# KiCad board PC110.kicad_pcb (continued)
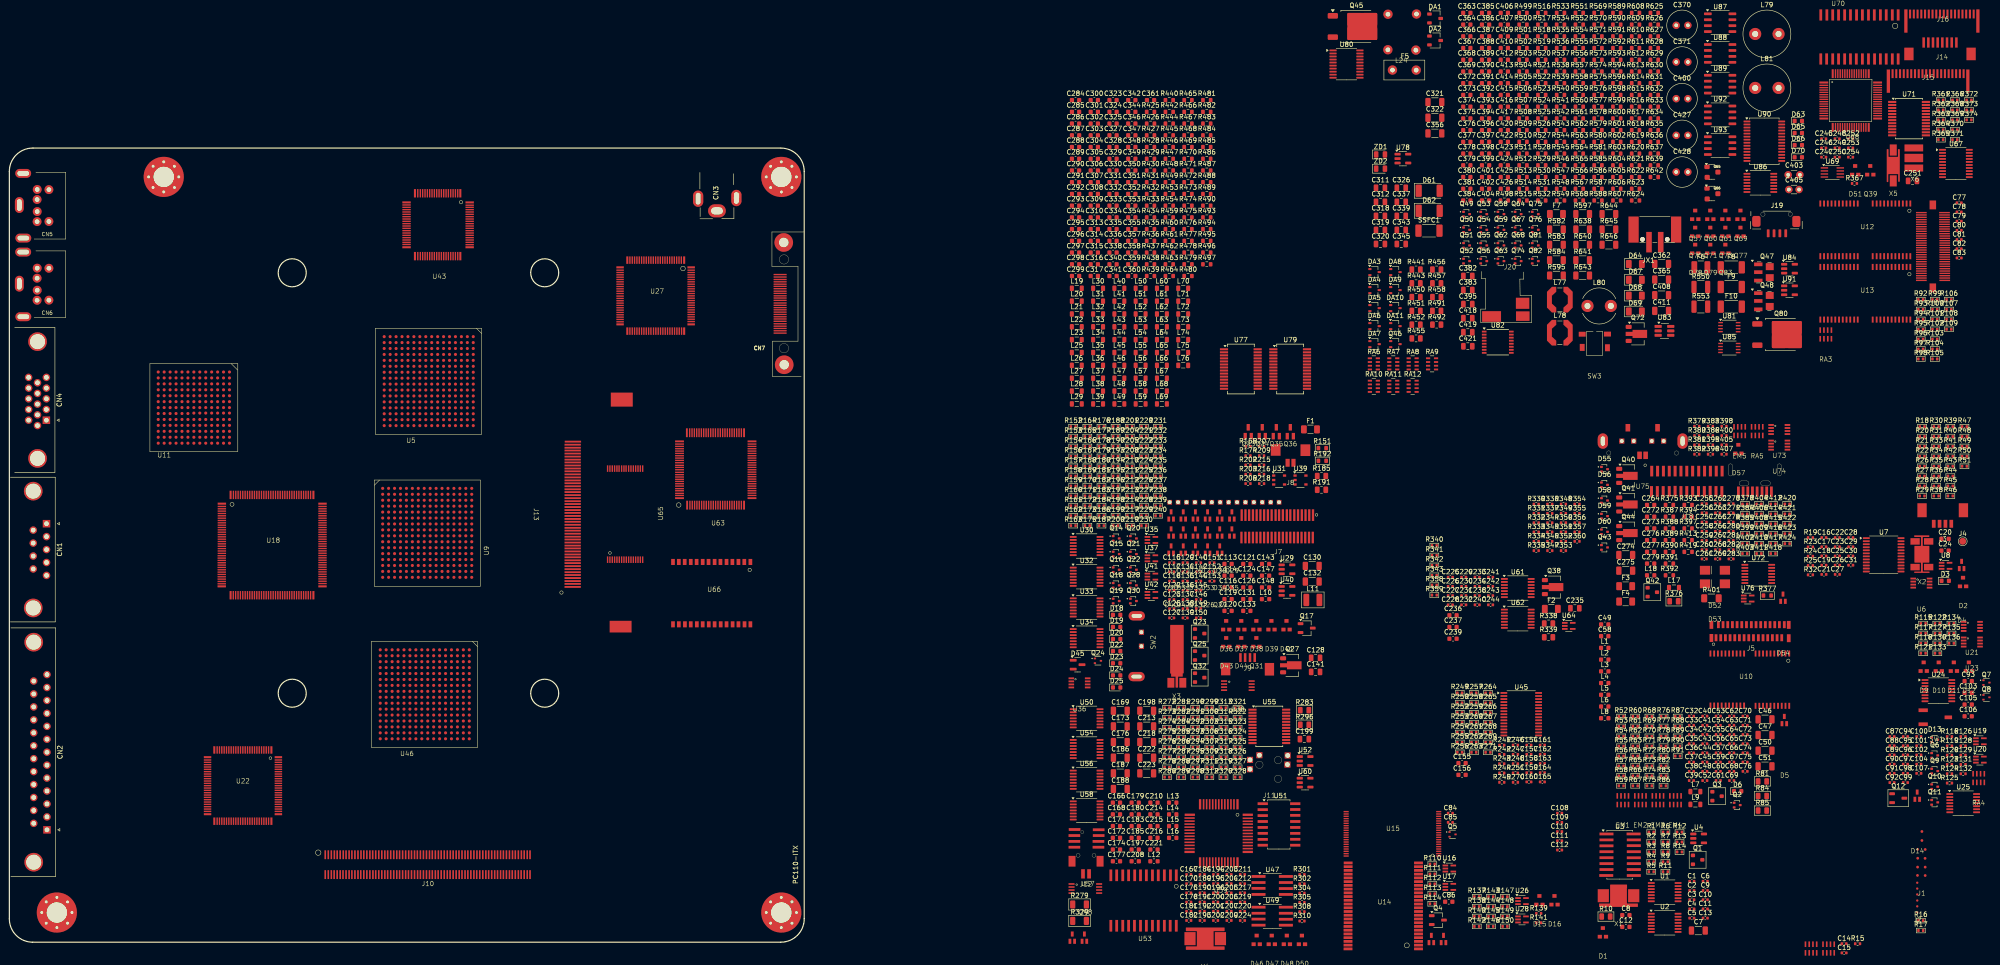
[diagram p0: board, top side]
## Nets (continued)
VCC: C22.1 C125.2 C127.1 C134.2 C137.2 C140.1 C152.1 C153.2 C281.2 D4.2 D40.2 J7.16 J18.2 J18.25 Q32.3 R165.1 R167.2 R176.1 R201.2 R221.1 R235.2 R240.2 R577.1 SW2.1 U6.1 U30.1 U30.10 U30.12 U30.14 U32.14 U33.2 U33.10 U33.12 U33.14 U34.10 U34.12 U34.14 U35.5 U43.71
/Audio/Enable_YMF_Bus: R299.1 U32.5 U52.1 U53.3 U54.1 U54.4 U54.10 U54.13
/Audio/PCMCIA_KB_sound: C174.2 R275.1
/Audio/YMFDAC_OUTPUT: C168.2 R274.1
/Chipset/CMOS_BATT+: C17.1 J3.3 R18.2
/Docking Station and Modem/FDD_PWR: C266.2 C267.1 C272.2 Q41.2
/Docking Station and Modem/J13_53: R375.1
/Docking Station and Modem/PD0: R387.1
/Docking Station and Modem/PD1: R388.1
/Docking Station and Modem/PD2: R389.1
/Docking Station and Modem/PD3: R390.1
/Docking Station and Modem/PD4: R391.1
/Docking Station and Modem/PD5: R392.1
/Docking Station and Modem/PD6: R393.1
/Docking Station and Modem/PD7: R394.1
/Docking Station and Modem/PNET5_Q1: C260.2 F3.1 L17.1 RA5.1 RA5.2 RA5.3 RA5.4
/Docking Station and Modem/PWR_IN+_D: D52.2 D53.2
/Docking Station and Modem/PWR_IN-: R375.2
/Docking Station and Modem/RXD2: R385.1 U74.5
/Docking Station and Modem/TXD2: U74.6
/DockingStation-ports/CTS2#: R484.1 R485.2 R486.1
/DockingStation-ports/DIN1: R496.2 U77.7
/DockingStation-ports/DIN2: R494.2 U77.8
/DockingStation-ports/DIN3: R490.2 U77.9
/DockingStation-ports/DOUT1: R440.1 U77.22
/DockingStation-ports/DOUT2: R434.1 U77.21
/DockingStation-ports/DOUT3: R445.1 U77.20
/DockingStation-ports/DSR2#: R482.2 R483.1
/DockingStation-ports/FDD_PWR: C349.2 C353.2 L69.1 RA8.1 RA8.2 RA8.3 RA8.4 RA9.1 RA9.2 RA9.3 RA9.4 RA10.1 RA10.2 RA10.3 RA10.4 RA11.1 RA11.2 RA11.3 RA11.4 RA12.1 RA12.2 RA12.3 RA12.4
/DockingStation-ports/LT_DR1_IN: R495.1 U79.25
/DockingStation-ports/LT_DR1_OUT: R439.2 U79.5
/DockingStation-ports/LT_DR2_IN: R493.1 U79.23
/DockingStation-ports/LT_DR2_OUT: R433.2 U79.7
/DockingStation-ports/LT_DR3_IN: R489.1 U79.19
/DockingStation-ports/LT_DR3_OUT: R444.2 U79.11
/DockingStation-ports/LT_RX1_IN: R425.2 U79.6
/DockingStation-ports/LT_RX1_OUT: R487.1 U79.24
/DockingStation-ports/LT_RX2_IN: R430.2 U79.8
/DockingStation-ports/LT_RX2_OUT: R485.1 U79.22
/DockingStation-ports/LT_RX3_IN: R436.2 U79.9
/DockingStation-ports/LT_RX3_OUT: R482.1 U79.21
/DockingStation-ports/LT_RX4_IN: R447.2 U79.10
/DockingStation-ports/LT_RX4_OUT: R480.1 U79.20
/DockingStation-ports/LT_RX5_IN: R427.2 U79.12
/DockingStation-ports/LT_RX5_OUT: R476.2 U79.18
/DockingStation-ports/M38_P46_PC110: Q46.3
/DockingStation-ports/M38_P67_PC110: R451.1 R452.2 ZD2.1
/DockingStation-ports/PD0: R464.1 RA7.8
/DockingStation-ports/PD1: R462.1 RA7.7
/DockingStation-ports/PD2: R460.1 RA7.6
/DockingStation-ports/PD3: R454.1 RA7.5
/DockingStation-ports/PD4: R453.1 RA6.8
/DockingStation-ports/PD5: R449.1 RA6.7
/DockingStation-ports/PD6: R446.2 RA6.6
/DockingStation-ports/PD7: R442.1 RA6.5
/DockingStation-ports/PNET5_Q1: C335.2 L55.2
/DockingStation-ports/PWR_IN+_D: D61.1 D62.1
/DockingStation-ports/PWR_IN-: C295.2 C300.2 L24.2 Q45.1 R441.1 R452.1 R458.1 ZD2.2
/DockingStation-ports/R269_1_PC110: R455.1
/DockingStation-ports/RI2#: R476.1 R477.2
/DockingStation-ports/RIN1: R426.1 U77.19
/DockingStation-ports/RIN2: R431.1 U77.18
/DockingStation-ports/RIN3: R437.1 U77.17
/DockingStation-ports/RIN4: R448.1 U77.16
/DockingStation-ports/RIN5: R428.1 U77.15
/DockingStation-ports/ROUT1: R488.2 U77.10
/DockingStation-ports/ROUT2: R486.2 U77.11
/DockingStation-ports/ROUT3: R483.2 U77.12
/DockingStation-ports/ROUT4: R481.2 U77.13
/DockingStation-ports/ROUT5: R477.1 U77.14
/DockingStation-ports/RXD2: R480.2 R481.1
/DockingStation-ports/VGA_BLUE: DA10.3 L73.1
/DockingStation-ports/VGA_GREEN: DA9.3 L72.1
/DockingStation-ports/VGA_Hsync: R478.1
/DockingStation-ports/VGA_RED: DA8.3 L71.1
/DockingStation-ports/VGA_Vsync: R479.1
/Keyboard and Trackpoint/D171_GPCLK: R370.1 U68.20 U70.22 U70.23
/Keyboard and Trackpoint/D171_GPDATA: R369.1 U68.21 U70.24 U70.25
/Keyboard and Trackpoint/D171_P0A0: J16.6 U70.13
/Keyboard and Trackpoint/D171_P0A1: J16.5 U70.12
/Keyboard and Trackpoint/D171_P0A2: J16.4 U70.11
/Keyboard and Trackpoint/D171_P0A3: J16.3 U70.10
/Keyboard and Trackpoint/D171_P0B0: J16.15 U70.9
/Keyboard and Trackpoint/D171_P0B1: J16.14 U70.8
/Keyboard and Trackpoint/D171_P0B2: J16.13 U70.7
/Keyboard and Trackpoint/D171_P0B3: J16.12 U70.6
/Keyboard and Trackpoint/D171_P0C2: J16.2 R364.1 U70.3
/Keyboard and Trackpoint/D171_P0C3: J16.16 R363.1 U70.2
/Keyboard and Trackpoint/D171_P1A0: J16.18 U70.21
/Keyboard and Trackpoint/D171_P1A1: J16.8 U70.20
/Keyboard and Trackpoint/D171_P1A2: J16.17 U70.19
/Keyboard and Trackpoint/D171_P1A3: J16.7 U70.18
/Keyboard and Trackpoint/KB1_0: J14.8 U68.56
/Keyboard and Trackpoint/KB1_1: J14.7 U68.55
/Keyboard and Trackpoint/KB1_2: J14.1 U68.54
/Keyboard and Trackpoint/KB1_3: J14.6 U68.53
/Keyboard and Trackpoint/KB1_4: J14.2 U68.52
/Keyboard and Trackpoint/KB1_5: J14.5 U68.51
/Keyboard and Trackpoint/KB1_6: J14.3 U68.50
/Keyboard and Trackpoint/KB1_7: J14.4 U68.49
/Keyboard and Trackpoint/KB2_1: J15.18 U68.33
/Keyboard and Trackpoint/KB2_2: J15.6 U68.34
/Keyboard and Trackpoint/KB2_3: J15.17 U68.35
/Keyboard and Trackpoint/KB2_4: J15.14 U68.36
/Keyboard and Trackpoint/KB2_5: J15.16 U68.37
/Keyboard and Trackpoint/KB2_6: J15.9 U68.38
/Keyboard and Trackpoint/KB2_7: J15.5 U68.39
/Keyboard and Trackpoint/KB2_8: J15.10 U68.40
/Keyboard and Trackpoint/KB2_9: J15.8 U68.41
/Keyboard and Trackpoint/KB2_10: J15.11 U68.42
/Keyboard and Trackpoint/KB2_11: J15.7 U68.43
/Keyboard and Trackpoint/KB2_12: J15.12 U68.44
/Keyboard and Trackpoint/KB2_13: J15.13 U68.45
/Keyboard and Trackpoint/KB2_14: J15.15 U68.46
/Keyboard and Trackpoint/KB2_15: J15.20 U68.47
/Keyboard and Trackpoint/KB2_16: J15.19 U68.48
/Keyboard and Trackpoint/TRKPD_Lclick: J15.4 J16.10 R365.1 U70.4
/Keyboard and Trackpoint/TRKPD_Rclick: J15.3 J16.11 R366.1 U70.5
/Memory/LCASL#: J6.48 R108.2 RA3.2
/Memory/LCASU#: J6.12 R106.2 RA3.4
/Memory/UCASL#: J6.47 R109.1 RA3.1
/Memory/UCASU#: J6.13 R107.2 RA3.3
/PCMCIA/ABVD1: J10.57 R260.2 U46.M13
/PCMCIA/ABVD2: J10.59 R259.2 U46.P16
/PCMCIA/ACA0: J10.58 U46.P15
/PCMCIA/ACA1: J10.56 U46.N13
/PCMCIA/ACA2: J10.54 U46.L12
/PCMCIA/ACA3: J10.52 U46.P14
/PCMCIA/ACA4: J10.50 U46.M12
/PCMCIA/ACA5: J10.48 U46.R15
/PCMCIA/ACA6: J10.46 U46.T15
/PCMCIA/ACA7: J10.44 U46.M11
/PCMCIA/ACA8: J10.24 U46.R9
/PCMCIA/ACA9: J10.22 U46.T9
/PCMCIA/ACA10: J10.16 U46.R7
/PCMCIA/ACA11: J10.20 U46.R8
/PCMCIA/ACA12: J10.42 U46.T14
/PCMCIA/ACA13: J10.26 U46.P10
/PCMCIA/ACA14: J10.28 U46.T11
/PCMCIA/ACA15: J10.40 U46.P12
/PCMCIA/ACA16: J10.38 U46.R12
/PCMCIA/ACA17: J10.25 U46.T10
/PCMCIA/ACA18: J10.27 U46.R10
/PCMCIA/ACA19: J10.29 U46.P11
/PCMCIA/ACA20: J10.31 U46.T12
/PCMCIA/ACA21: J10.33 U46.N10
/PCMCIA/ACA22: J10.39 U46.T13
/PCMCIA/ACA23: J10.41 U46.R13
/PCMCIA/ACA24: J10.43 U46.P13
/PCMCIA/ACA25: J10.45 U46.R14
/PCMCIA/ACD0: J10.60 U46.N16
/PCMCIA/ACD1: J10.62 U46.N15
/PCMCIA/ACD1#: J10.5 R268.2 U46.T4
/PCMCIA/ACD2: J10.64 U46.M16
/PCMCIA/ACD2#: J10.67 R262.2 U46.L16
/PCMCIA/ACD3: J10.4 U46.N5
/PCMCIA/ACD4: J10.6 U46.M7
/PCMCIA/ACD5: J10.8 U46.P5
/PCMCIA/ACD6: J10.10 U46.R5
/PCMCIA/ACD7: J10.12 U46.T6
/PCMCIA/ACD8: J10.61 U46.K13
/PCMCIA/ACD9: J10.63 U46.M14
/PCMCIA/ACD10: J10.65 U46.M15
/PCMCIA/ACD11: J10.7 U46.R4
/PCMCIA/ACD12: J10.9 U46.T5
/PCMCIA/ACD13: J10.11 U46.N6
/PCMCIA/ACD14: J10.13 U46.R6
/PCMCIA/ACD15: J10.15 U46.T7
/PCMCIA/ACE1#: J10.14 U46.P6
/PCMCIA/ACE2#: J10.17 U46.P7
/PCMCIA/ACIORD#: J10.21 U46.P8
/PCMCIA/ACIOWR#: J10.23 U46.P9
/PCMCIA/AINPACK#: J10.53 R256.2 U46.N14
/PCMCIA/AOE#: J10.18 U46.T8
/PCMCIA/ARDY: J10.32 R257.2 U46.N11
/PCMCIA/AREG#: J10.55 U46.R3
/PCMCIA/ARESET: J10.49 U46.T16
/PCMCIA/AVPP: C155.2 J10.36 J10.37 U45.8
/PCMCIA/AWAIT: J10.51 R258.2 U46.R16
/PCMCIA/AWE#: J10.30 U46.R11
/PCMCIA/AWP: J10.66 R261.2 U46.L13
/PCMCIA/B5VDET: J10.89 U46.N4
/PCMCIA/BBVD1: J10.127 R271.1 U46.C11
/PCMCIA/BBVD2: J10.129 R269.2 U46.B11
/PCMCIA/BCA0: J10.128 U46.D10
/PCMCIA/BCA1: J10.126 U46.A11
/PCMCIA/BCA2: J10.124 U46.D11
/PCMCIA/BCA3: J10.122 U46.A12
/PCMCIA/BCA4: J10.120 U46.B13
/PCMCIA/BCA5: J10.118 U46.D12
/PCMCIA/BCA6: J10.116 U46.B14
/PCMCIA/BCA7: J10.114 U46.D13
/PCMCIA/BCA8: J10.94 U46.E15
/PCMCIA/BCA9: J10.92 U46.F13
/PCMCIA/BCA10: J10.86 U46.D9
/PCMCIA/BCA11: J10.90 U46.F15
/PCMCIA/BCA12: J10.112 U46.C14
/PCMCIA/BCA13: J10.96 U46.E14
/PCMCIA/BCA14: J10.98 U46.C16
/PCMCIA/BCA15: J10.110 U46.E12
/PCMCIA/BCA16: J10.108 U46.A16
/PCMCIA/BCA17: J10.95 U46.D16
/PCMCIA/BCA18: J10.97 U46.D15
/PCMCIA/BCA19: J10.99 U46.D14
/PCMCIA/BCA20: J10.101 U46.C15
/PCMCIA/BCA21: J10.103 U46.B15
/PCMCIA/BCA22: J10.109 U46.E13
/PCMCIA/BCA23: J10.111 U46.A15
/PCMCIA/BCA24: J10.113 U46.C13
/PCMCIA/BCA25: J10.115 U46.A14
/PCMCIA/BCD0: J10.130 U46.A10
/PCMCIA/BCD1: J10.132 U46.C10
/PCMCIA/BCD1#: J10.75 R270.2 U46.A8
/PCMCIA/BCD2: J10.134 U46.B9
/PCMCIA/BCD2#: J10.137 R264.1 U46.K16
/PCMCIA/BCD3: J10.74 U46.L14
/PCMCIA/BCD4: J10.76 U46.K15
/PCMCIA/BCD5: J10.78 U46.J16
/PCMCIA/BCD6: J10.80 U46.J14
/PCMCIA/BCD7: J10.82 U46.H14
/PCMCIA/BCD8: J10.131 U46.B10
/PCMCIA/BCD9: J10.133 U46.A9
/PCMCIA/BCD10: J10.135 U46.G15
/PCMCIA/BCD11: J10.77 U46.K14
/PCMCIA/BCD12: J10.79 U46.J15
/PCMCIA/BCD13: J10.81 U46.H16
/PCMCIA/BCD14: J10.83 U46.H15
/PCMCIA/BCD15: J10.85 U46.G14
/PCMCIA/BCE1#: J10.84 U46.F16
/PCMCIA/BCE2#: J10.87 U46.G16
/PCMCIA/BCIORD#: J10.91 U46.E16
/PCMCIA/BCIOWR#: J10.93 U46.G13
/PCMCIA/BINPACK#: J10.123 R263.1 U46.B12
/PCMCIA/BOE#: J10.88 U46.F14
/PCMCIA/BRDY: J10.102 R267.2 U46.B16
/PCMCIA/BREG#: J10.125 U46.L15
/PCMCIA/BRESET: J10.119 U46.A13
/PCMCIA/BVPP: C156.1 J10.106 J10.107 U45.23
/PCMCIA/BWAIT: J10.121 R265.2 U46.C12
/PCMCIA/BWE#: J10.100 U46.F12
/PCMCIA/BWP: J10.136 R266.1 U46.C9
/Power/M38_COM0: U43.77 U44.14
/Power/M38_COM1: U43.76 U44.13
/Power/M38_COM2: U43.75 U44.12
/Power/M38_COM3: U43.74 U44.11
/Power/M38_P10_R413: Q36.3 R209.2 R218.1
/Power/M38_P11_R167: Q35.3 R208.2 R217.1
/Power/M38_P12_R407: Q34.3 R207.2 R216.2
/Power/M38_P13_R390: Q33.3 R206.1 R215.1
/Power/M38_SEG0: U43.70 U44.1
/Power/M38_SEG1: U43.69 U44.2
/Power/M38_SEG2: U43.68 U44.3
/Power/M38_SEG3: U43.67 U44.4
/Power/M38_SEG4: U43.66 U44.5
/Power/M38_SEG5: U43.65 U44.6
/Power/M38_SEG6: U43.64 U44.7
/Power/M38_SEG7: U43.63 U44.8
/Power/M38_SEG8: U43.62 U44.9
/Power/M38_SEG9: U43.61 U44.10
/Power/Touch_X+: J9.2 R194.2 R202.1
/Power/Touch_X-: J9.3 Q34.2
/Power/Touch_Y+: J9.1 R193.2 R203.1
/Power/Touch_Y-: J9.4 Q36.2
/Power/U54_D: J7.17 Q20.3 U34.2 U34.6
/Power/U54_Q: D39.2 J7.25 R173.1 U34.5
/PSU/D2_3_PC110: Q50.3 R606.2
/PSU/D18_2_3_PC110: J19.1 R617.2
/PSU/D28_1_PC110: C371.1 C374.1 C377.2 Q48.4 R515.2 R573.2
/PSU/F65_ENAVEE_PC110: R519.1 R613.2
/PSU/J5_6_PC110: D63.1 Q57.1 R570.2
/PSU/J5_33_PC110: C366.1 R502.2 R506.1 R611.2
/PSU/M38_P20_PC110: Q73.1 Q75.1 R580.2
/PSU/M38_P21_PC110: Q73.3 R616.2
/PSU/M38_P52_PC110: R517.1 R579.2
/PSU/M38_P53_PC110: Q61.1 R615.2
/PSU/M38_P60_PC110: C399.1 R563.1 R567.2 U86.8
/PSU/M38_P61_PC110: C410.1 R568.2 R619.1 R623.1 U86.14
/PSU/M38_P63_PC110: C391.1 R547.2 R549.1 R602.2 U86.1
/PSU/M38_P64_PC110: R591.1 R592.1 R607.2 U86.7
/PSU/M38_VREF_PC110: C420.2 Q79.3 Q81.2 R609.2 R630.1
/PSU/PNET1_PC110: R571.2 R608.2
/PSU/Q43_2_PC110: C369.2 C370.2 C372.2 Q47.4 R507.2 R574.2
/PSU/Q49_1_PC110: D65.2 R603.2 R621.2
/PSU/R73_2_PC110: R509.2 R576.2
/PSU/R284_2_PC110: C362.1 C365.1 C403.2 C405.2 F6.2 F7.2 F9.2 R575.2 R628.2 U88.5 U88.6 U88.7 U88.8 U89.5 U89.6 U92.5 U92.6 U92.7 U92.8
/PSU/R412_1_PC110: J19.2 R581.2
/PSU/U21_131_PC110: R514.2 R612.2
/PSU/U54_1D_PC110: R560.2 R578.2
/PSU/U54_1Q_PC110: R548.2 R614.2
/PSU/U54_D: R578.1
/PSU/U54_Q: R614.1
/PSU/U54_VCC_PC110: C408.2 Q55.2 Q72.1 R577.2 SW3.1
/VGA Controller/LCD_24: C72.1 EM4.1 J5.24
/VGA Controller/LCD_B0: C56.1 EM1.4 J5.8
/VGA Controller/LCD_B1: C57.1 EM1.3 J5.9
/VGA Controller/LCD_B2: C64.1 EM1.2 J5.10
/VGA Controller/LCD_B3: C63.1 EM1.1 J5.11
/VGA Controller/LCD_B4: C68.1 EM2.4 J5.17
/VGA Controller/LCD_G0: C67.1 EM2.3 J5.18
/VGA Controller/LCD_G1: C66.1 EM2.2 J5.19
/VGA Controller/LCD_G2: C76.1 EM2.1 J5.20
/VGA Controller/LCD_G3: C62.1 EM3.4 J5.12
/VGA Controller/LCD_G4: C61.1 EM3.3 J5.13
/VGA Controller/LCD_R0: C70.1 EM3.2 J5.14
/VGA Controller/LCD_R1: C69.1 EM3.1 J5.15
/VGA Controller/LCD_R2: C75.1 EM4.4 J5.21
/VGA Controller/LCD_R3: C74.1 EM4.3 J5.22
/VGA Controller/LCD_R4: C73.1 EM4.2 J5.23
AEN: U9.G16 U18.114 U22.6 U27.44 U46.K1 U69.6
BIOS_SA17: U15.40 U22.54
Bowman1: U9.N9 U18.45
Bowman2: U9.P9 U18.140
Bowman3: R117.2 U9.R9
Bowman4: U9.T9 U18.52
Bowman5: R22.1 U7.3 U9.T13 U18.130
Bowman5_Buff: U7.22 U16.1
Bowman_Audio_Vol_Dn: U18.128 U49.7
Bowman_Audio_Vol_Up: U18.127 U49.2
Bowman_CLK: R4.2 U18.40
Bowman_ESS_DACK1#: R367.2 U18.122 U71.10
CF_CD1_Pluto: J13.2 R342.2 U22.27
CF_CD2_Pluto: J13.49 R340.1 U22.26
Chipset_2XCPU_CLK: R11.2 U9.R2
Chipset_32KHz: U9.T10 U11.J2 U18.51
Chipset_BIOS_CE#: U9.G15 U15.22
Chipset_CLK: R8.1 U9.R15
Chipset_CPU_CLK: R17.1 R32.1 R79.1 R116.2 U9.K1
Chipset_CPU_CLK_Sense: R16.2 U9.J1
Chipset_FDC_TC: U9.G13 U27.33
Chipset_SA16: U9.B16 U15.1 U46.J1
Chipset_Sound: R288.2 U9.T15
CMOS_BATT_Sense: J3.4 R231.2 U43.6
CPU_A2: U5.A3 U9.N7 U11.L6 U18.10
CPU_A3: U5.D2 U9.T7 U11.M6 U18.11
CPU_A4: U5.D1 U9.R7 U11.J6 U18.12
CPU_A5: U5.E2 U9.P7 U11.N6 U18.13
CPU_A6: U5.F2 U9.N6 U11.M7 U18.14
CPU_A7: U5.F1 U9.T6 U11.N7 U18.15
CPU_A8: U5.G2 U9.R6 U11.J7 U18.16
CPU_A9: U5.G1 U9.P6 U11.N8 U18.17
CPU_A10: U5.H2 U9.M6 U11.M8 U18.19
CPU_A11: U5.H1 U9.T5 U11.J8 U18.20
CPU_A12: U5.J1 U9.R5 U11.L8 U18.21
CPU_A13: U5.K2 U9.P5 U11.N9 U18.22
CPU_A14: U5.K1 U9.T4 U11.M9 U18.23
CPU_A15: U5.L2 U9.R4 U11.K8 U18.24
CPU_A16: U5.L1 U9.N5 U11.N10 U18.25
CPU_A17: U5.M2 U9.P4 U11.L9 U18.26
CPU_A18: U5.N1 U9.T3 U11.M10 U18.27
CPU_A19: U5.P2 U9.R3 U11.N13 U18.29
CPU_A20: U5.P1 U9.P3 U11.M12 U18.30
CPU_A20M#: J1.7 U5.B13 U9.H3
CPU_A21: U5.T3 U9.T2 U11.K11 U18.31
CPU_A22: U5.R3 U9.R1 U11.M13 U18.32
CPU_A23: U5.P3 U9.N4 U11.L12 U18.33
CPU_A24: U5.T4 U9.P2 U18.34
CPU_A25: U5.R4 U9.P1 U18.35
CPU_A31: J2.6 U5.R6 U9.N3
CPU_ADS#: U5.B3 U9.N2 U11.K12 U18.49
CPU_AHOLD: J2.5 U5.A8 U9.L5
CPU_BE0#: J1.6 U5.B10 U9.L1 U11.M5
CPU_BE1#: J1.3 U5.C10 U9.L4 U11.L13
CPU_BE2#: J1.8 U5.A11 U9.K3 U11.N5
CPU_BE3#: J1.5 U5.B11 U9.K2 U11.J9
CPU_BLAST#: J2.1 U5.C3 U9.N1
CPU_BRDY#: J1.2 U5.B5 U9.M3
CPU_BS16#: U5.A6 U11.C11
CPU_D0: J6.1 U5.R7 U9.E2 U11.D13 U12.2
CPU_D1: J6.2 U5.P7 U9.E5 U11.F10 U12.3
CPU_D2: J6.3 U5.T8 U9.E3 U11.E13 U12.4
CPU_D3: J6.4 U5.R8 U9.D1 U11.F11 U12.5
CPU_D4: J6.6 U5.P8 U9.D2 U11.F9 U12.7
CPU_D5: J6.7 U5.T9 U9.E4 U11.F12 U12.8
CPU_D6: J6.8 U5.R9 U9.D3 U11.F13 U12.9
CPU_D7: J6.9 U5.P9 U9.C1 U11.G9 U12.10
CPU_D8: J6.51 U5.R10 U9.C2 U11.G13 U12.35
CPU_D9: J6.52 U5.P10 U9.C3 U11.G12 U12.36
CPU_D10: J6.53 U5.R11 U9.B1 U11.H13 U12.37
CPU_D11: J6.54 U5.P11 U9.A2 U11.H9 U12.38
CPU_D12: J6.56 U5.T12 U9.D4 U11.H12 U12.40
CPU_D13: J6.57 U5.R12 U9.B3 U11.H11 U12.41
CPU_D14: J6.58 U5.P12 U9.A3 U11.J13 U12.42
CPU_D15: J6.59 U5.T13 U9.C4 U11.J12 U12.43
CPU_D16: J6.22 U5.P13 U9.D5 U11.B2 U13.2
CPU_D17: J6.23 U5.R16 U9.B4 U11.B1 U13.3
CPU_D18: J6.24 U5.P16 U9.A4 U11.C2 U13.4
CPU_D19: J6.25 U5.P15 U9.C5 U11.E5 U13.5
CPU_D20: J6.27 U5.N16 U9.F6 U11.C1 U13.7
CPU_D21: J6.28 U5.N15 U9.B5 U11.D2 U13.8
CPU_D22: J6.29 U5.M16 U9.A5 U11.E3 U13.9
CPU_D23: J6.30 U5.M15 U9.E6 U11.D1 U13.10
CPU_D24: J6.32 U5.L15 U9.C6 U11.F4 U13.35
CPU_D25: J6.33 U5.K16 U9.B6 U11.E2 U13.36
CPU_D26: J6.34 U5.K15 U9.A6 U11.E1 U13.37
CPU_D27: J6.35 U5.J16 U9.D6 U11.F3 U13.38
CPU_D28: J6.37 U5.J15 U9.C7 U11.F2 U13.40
CPU_D29: J6.38 U5.H16 U9.B7 U11.F5 U13.41
CPU_D30: J6.39 U5.H15 U9.A7 U11.F1 U13.42
CPU_D31: J6.40 U5.G16 U9.D7 U11.G4 U13.43
CPU_DC#: U5.A12 U9.H1 U18.41
CPU_EADS#: J2.4 U5.A13 U9.H2
CPU_FLUSH#: J2.2 U5.C16 U9.G1
CPU_HLDA: J1.4 U5.B9 U9.L3
CPU_HOLD: J1.1 U5.C7 U9.M1
CPU_INTR: U5.D15 U9.G2 U18.133
CPU_KEN#: J2.3 U5.B7 U9.M2
CPU_LDEV#: U9.M4 U11.D11 U18.43
CPU_MIO#: U5.C11 U9.H4 U11.J11 U18.50
CPU_NMI: J1.10 U5.D16 U9.G3
CPU_RDY#: U5.A7 U9.L6 U11.C12 U11.C13 U18.134
CPU_RESET: U5.C13 U9.G4 U18.46
CPU_SMI#: U5.F15 U9.F2
CPU_SMIACT#: U5.E16 U9.F1 U19.1
CPU_SRESET: J1.9 U5.E15 U9.F4
CPU_STPCLK#: U5.G15 U9.E1 U22.62
CPU_WR#: U5.C9 U9.L2 U11.D12 U18.42
D4_3: D31.3 J7.35 R606.1
D11_2: C206.2 D39.3 D50.2 R322.1 U60.2
D18_2_3: D17.1 D17.2 J7.21 R155.2 R617.1
D28_1: C121.2 D23.1 J7.12 Q4.2 R573.1 U45.7 U45.24
D46_1: D26.1 J7.39 R603.1
Dock_PWR_IN-: J7.5 J7.36 J7.37 R605.1
DS_VCC: C312.1 C316.2 R466.2 R470.1 U77.3
EN_LCD_VAA: R155.1 U22.83
EN_RS232: R468.1 R469.2 U22.77
Enable_IRDA_Buf: Q42.1 R399.2 U7.15 U72.4 U72.10 U74.1 U74.7
ESS_AEN: U59.40 U71.16
ESS_CLK: R6.2 R327.1
ESS_DACK1#: U59.36 U71.15
ESS_DRDY: U1.6 U59.21
ESS_IRQ1: R318.1 U59.16 U67.13
ESS_IRQ1_Buf: U18.118 U67.7
ESS_IRQ2: U59.18 U67.15
ESS_IRQ2_Buf: U18.87 U67.5
ESS_Sound: C171.1 U59.9
F65_ENAVEE: D17.3 J7.26 R154.1 R613.1 U11.E9
FCS_BVD1: J13.42 U63.50
FCS_BVD2: J13.40 U63.49
FCS_IOCHRDY: J13.34 R31.2 U9.H14 U27.98 U46.K3 U63.47
FCS_RESET: J13.32 R341.1 U8.4 U63.36 U71.11
FDC_ACK#: R145.1 R438.1 U27.60
FDC_AUTOFD#: R142.1 R467.1 U27.74
FDC_BUSY: R150.2 R435.1 U27.59
FDC_CLK: R3.2 U27.18
FDC_CTS1#: J18.8 R411.1 U27.80
FDC_CTS2#: R382.2 U27.90
FDC_DACK#: R137.1 U18.120 U27.34
FDC_DCD1#: J18.4 R408.1 U27.83
FDC_DCD2#: R383.2 R487.2 R488.1 U27.85
FDC_DIR#: L68.1 RA10.6 U27.5
FDC_DRATE0: R405.2 U27.17 U72.2
FDC_DRATE0#: L52.1 RA11.5 U72.3
FDC_DRATE1: R407.2 U27.16 U72.12
FDC_DRATE1#: L76.1 RA11.8 U72.11
FDC_DS3: U18.123 U27.95 U69.1
FDC_DSKCHG#: L45.1 R422.2 RA8.5 U27.15
FDC_DSR1: J18.7 R410.1 U27.78
FDC_DSR2#: R386.2 U27.88
FDC_DTR1#: R416.1 U27.81 U56.9
FDC_DTR2#: R495.2 R496.1 U27.91
FDC_ERROR#: R147.1 R463.1 U27.73
FDC_FDRQ: U18.115 U27.50
FDC_FINTR: U18.82 U27.38
FDC_HDCS0#: R347.2 U27.23 U62.1
FDC_HDCS1#: R346.2 U27.24 U62.2
FDC_HDSEL#: L46.1 RA8.6 U27.9
FDC_IDE7: J13.11 R352.2 U27.20 U63.13
FDC_INDEX#: L53.1 R424.2 RA12.8 U27.10
FDC_INIT#: R146.1 R461.1 U27.72
FDC_IOW: U22.58 U28.2
FDC_IRRX_RXD2: R141.1 U27.86 U72.8 U74.3
FDC_IRTX_TXD2: R378.2 R489.2 R490.1 U27.87 U72.5 U74.2
FDC_MTR2#: R139.1 U18.121 U27.94
FDC_MTR3#: U18.117 U27.97
FDC_PD0: R387.2 U27.69
FDC_PD1: R388.2 U27.68
FDC_PD2: R389.2 U27.67
FDC_PD3: R390.2 U27.66
FDC_PD4: R391.2 U27.64
FDC_PD5: R392.2 U27.63
FDC_PD6: R393.2 U27.62
FDC_PD7: R394.2 U27.61
FDC_PE: R148.1 R432.1 U27.58
FDC_Pluto1: D12.2 L54.1 RA11.7
FDC_Pluto2: D11.2 L75.1 RA11.6
FDC_Pluto3: D10.2 L51.1 RA10.7
FDC_Pluto4: D9.2 L66.1 RA10.5
FDC_RDATA#: L58.1 R379.2 U27.14
FDC_RI1#: J18.5 R409.1 U27.82
FDC_RI2#: R380.1 U27.84
FDC_RTS1#: R417.1 U27.79 U56.5
FDC_RTS2#: R493.2 R494.1 U27.89
FDC_RXD1: J18.10 R412.1 U27.76
FDC_SLCT: R149.2 R429.1 U27.57
FDC_SLCTIN#: R143.1 R459.1 U27.71
FDC_STEP#: L50.1 RA9.8 U27.6
FDC_STROBE#: R144.1 R471.1 U27.75
FDC_TRK0#: L48.1 R420.2 RA9.5 U27.11
FDC_TXD1: R418.1 U27.77 U56.2
FDC_TXD2_EN: R402.1 U72.6 U73.5
FDC_UART1_EN: D14.1 R130.2 U22.76 U56.1 U56.4 U56.10
FDC_WDATA#: L67.1 RA9.7 U27.7
FDC_WGATE#: L49.1 RA9.6 U27.8
FDC_WRTPRT#: L47.1 R421.1 RA8.8 U27.12
FDD_Bowman: L56.2 R414.2 U18.125
FDD_DRSEL: L74.1 RA12.7 U27.2
FDD_MOTEN: L70.1 RA12.6 U27.100
IOCS16#: J13.47 R140.2 U9.J16 U27.25 U46.B1 U63.52
IOR#: R30.2 R310.1 R349.2 R350.1 U1.3 U1.5 U18.112 U22.86 U27.42 U46.J3 U61.1 U68.5 U71.7
IOW#: R29.1 R351.2 R353.2 U18.113 U22.89 U26.2 U46.J2 U61.4 U68.4 U71.8
IRQ3: R249.2 U18.85 U27.35 U46.E1
IRQ4: R248.2 U18.84 U27.36 U46.F4
IRQ5: R247.2 U18.83 U27.92 U46.F2
IRQ7: R246.2 U18.81 U27.37 U46.G1
IRQ9: R245.2 U18.79 U46.N1
IRQ10: R244.2 U18.78 U46.D5
IRQ11: R242.2 U18.77 U46.B2
IRQ14: J13.24 R344.1 U18.75 U46.B4 U63.46
IRQ15: R243.2 U18.74 U46.C4
JRC_VCC: C398.1 C401.1 Q55.3 R625.1 U85.8 U86.4
KB_CAPLED#: U68.27 U71.4
KB_CNTR#: U22.61 U68.59
KB_INIT1: EM5.5 L64.2 RA5.5 U68.17
KB_INIT2: EM5.6 L63.2 RA5.6 U68.16
KB_INIT3: EM5.8 L60.2 RA5.8 U68.13
KB_INIT4: EM5.7 L59.2 RA5.7 U68.12
KB_IRQ1: U18.86 U68.15
KB_IRQ12: U18.76 U68.14
KB_KBCSMI: U67.12 U68.32
KB_NUMLED#: U68.26 U71.3
KB_PADLED#: U68.28 U71.5
KB_RESET#: C245.2 D43.1 D43.3 R232.2 U9.N11 U18.48 U22.66 U24.3 U25.4 U25.10 U68.19
KB_RXD: U67.9 U68.11
KB_SCLK#: R362.1 U7.8 U68.9
KB_SCLK_shift: Q39.3 U7.17
KB_SCRLED#: U18.53 U68.25
KB_Sound: R287.1 U68.58
KB_SPKDN: U9.T12 U22.43 U67.16 U68.30
KB_SPKUP: Q28.3 R188.1 U22.44 U68.29
KB_SPKUP_DN: D54.3 R189.1
KB_SRDY#: R361.1 U7.7 U68.8
KB_SRDY#_shift: R381.1 U7.18
KB_TP139: U67.14 U68.31
KB_TXD: U68.10 U71.6
KBCCS#: U22.60 U68.6
LA17: U9.D13 U46.A4
LA18: U9.C15 U46.C5
LA19: U9.C16 U46.A3
LA20: U9.D14 U46.E6
LA21: U9.E13 U46.A2
LA22: U9.D15 U46.A1
LA23: U9.D16 U46.E5
LCD_NC_L11: L8.2 R91.1 U22.5
LCD_STNDBY#: R119.2 U11.K13 U22.93
LCD_VAA: C116.1 C117.1 J5.3 L10.1
M38_21: U43.55 U71.21
M38_P14: U43.42 U67.17
M38_P14_Buf: U18.107 U67.3
M38_P15: U43.41 U67.2
M38_P15_Buf: U18.106 U67.18
M38_P16_R86: R213.1
M38_P20: J7.19 R580.1 U43.38
M38_P21: J7.22 R616.1 U43.37
M38_P22_R88: R212.1 U67.8
M38_P27_KB_SPKDN: U43.31 U67.4
M38_P34: R221.2 R235.1 U43.18 U43.58
M38_P35: U43.57 U71.20
M38_P36: U43.56 U71.22
M38_P41: U18.111 U43.23
M38_P43: U18.110 U43.21
M38_P44: U43.20 U71.19
M38_P52: J7.18 R579.1 U43.14
M38_P53: J7.23 R615.1 U43.13
M38_P60: J7.1 R567.1 U43.8
M38_P61: J7.2 R568.1 U43.7
M38_P63: J7.40 R602.1 U43.5
M38_P64: J7.34 R607.1 U43.4
M38_P65: C139.2 R200.2 U38.1 U43.3
M38_P66: C138.2 R199.2 U38.7 U43.2
M38_P67: R234.2 U43.1
M38_P71: D31.2 R176.2 U32.3 U43.26
M38_RESET: C115.2 Q18.3 R170.1 R214.2 U30.4 U33.1 U33.13
M38_VREF: C150.2 C151.1 J7.31 R231.1 R609.1 U43.72
MEMCS16#: R253.2 U9.J13 U18.119 U46.D3
MEMR#: R26.1 U14.16 U15.24 U46.B5
MEMW#: R27.1 U17.1 U46.D6
MIC_in_pin: C191.2 J11.4 L16.2
MIC_J17: J3.1 R303.2
MN192_VSEN#: C119.2 J18.16 R166.2 U32.11
MN195_U1RD#: J18.3 R165.2 U32.13
Modem_Audio_Out: C279.1 R276.1
Modem_VSDA#: J18.17 R403.1 U22.75
OKI_CE#: U14.14 U18.142
OKI_SA12: U14.40 U18.9
OKI_SA13: U14.39 U18.7
OKI_SA14: U14.38 U18.6
OKI_SA15: U14.37 U18.5
OKI_SA16: U14.36 U18.4
OKI_SA17: U14.5 U18.3
OKI_SA18: U14.4 U18.2
OKI_SA19: U14.45 U18.143
PCMCIA_BALE: U9.K15 U46.D1
PCMCIA_CLK: R255.2 U9.H16
PCMCIA_CS: R252.2 U9.R14 U21.6
PCMCIA_REFRESH: U9.E14 U46.H1
PCMCIA_SBHE#: U9.F12 U46.C3
PCMCIA_Sound: C183.2 R293.2 U46.N3
PCMCIA_ZEROWS#: U9.H15 U46.L3
Pluto_50: R175.1 U22.50
Pluto_51: U18.129 U22.51
Pluto_52: R169.2 U22.52
Pluto_72: D21.1 D21.3 R168.2 U22.72
Pluto_73: D30.1 D30.2 R177.2 U22.73
Pluto_BIOS_WR_EN: D8.3 U22.53
Pluto_CLK: R7.1 U22.65
Pluto_Dock_IO1: R419.1 R423.2 U22.28
Pluto_Dock_IO2: R413.1 R415.2 U22.29
Pluto_EN_IRDA: U7.10 U22.48
Pluto_ESS_AEN: U22.79 U69.2
Pluto_IRDA_OUT: U22.81 U73.6
Pluto_Switched_PNET5: C280.1 J18.12 J18.15 Q12.3 R134.2 R408.2 R409.2 R410.2 R411.2 R412.2
PNET1: C1.2 C2.2 C3.2 C14.2 C15.2 C26.1 C27.1 C28.2 C29.2 C30.1 C32.1 C33.2 C34.1 C35.1 C36.1 C37.1 C38.2 C39.1 C40.1 C41.2 C42.2 C43.1 C44.1 C45.1 C48.1 C77.1 C78.1 C79.1 C80.2 C81.2 C82.2 C83.2 C87.2 C88.2 C89.2 C90.1 C91.2 C92.2 C94.2 C95.1 C96.1 C97.2 C98.2 C99.1 C100.2 C101.2 C102.2 C104.2 C106.2 C109.1 C110.1 C129.1 C135.2 C161.1 C162.1 C163.2 C195.1 C201.2 C204.2 C205.1 C247.1 C250.1 C252.1 C409.1 D25.1 D41.3 D55.2 D56.2 D58.2 D59.2 D60.2 J6.5 J6.14 J6.21 J7.8 J7.33 L1.2 L2.1 Q1.2 Q23.2 R21.1 R24.1 R25.1 R34.2 R36.2 R50.2 R91.2 R93.1 R94.2 R99.2 R101.2 R102.1 R103.1 R118.1 R119.1 R122.1 R127.2 R137.2 R139.2 R168.1 R177.1 R178.2 R204.2 R232.1 R233.2 R238.2 R254.2 R262.1 R264.2 R268.1 R270.1 R293.1 R307.1 R338.1 R340.2 R342.1 R361.2 R362.2 R367.1 R384.1 R403.2 R571.1 R601.1 R608.1 RA3.5 RA3.6 RA3.7 RA3.8 SW1.1 U1.14 U2.14 U5.D3 U5.D4 U5.D5 U5.D6 U5.D7 U5.D8 U5.D9 U5.D10 U5.D11 U5.D12 U5.D13 U5.D14 U5.E3 U5.E4 U5.E5 U5.E6 U5.E7 U5.E8 U5.E9 U5.E10 U5.E11 U5.E12 U5.E13 U5.E14 U5.F3 U5.F14 U5.G3 U5.G14 U5.H3 U5.H14 U5.J3 U5.J14 U5.K3 U5.K14 U5.L3 U5.L14 U5.M3 U5.M4 U5.M5 U5.M6 U5.M7 U5.M8 U5.M9 U5.M10 U5.M11 U5.M12 U5.M13 U5.M14 U5.N3 U5.N4 U5.N5 U5.N6 U5.N7 U5.N8 U5.N9 U5.N10 U5.N11 U5.N12 U5.N13 U5.N14 U7.1 U7.2 U9.A12 U9.B2 U9.B9 U9.B15 U9.F14 U9.J4 U9.K4 U9.M5 U9.M14 U10.1 U10.6 U10.20 U11.B11 U11.C7 U11.D8 U11.E4 U11.E12 U11.G10 U11.K6 U11.K7 U11.M1 U12.1 U12.6 U12.22 U13.1 U13.6 U13.22 U18.1 U18.18 U18.36 U18.37 U18.54 U18.72 U18.73 U18.90 U18.99 U18.108 U18.109 U18.126 U18.144 U19.5 U20.5 U21.8 U22.7 U22.14 U22.38 U22.64 U22.88 U22.95 U22.97 U23.5 U23.8 U24.2 U24.6 U24.16 U25.2 U25.13 U25.14 U26.5 U27.13 U27.70 U28.5 U37.5 U45.15 U45.16 U45.17 U46.D8 U46.K4 U46.N8 U55.1 U56.13 U56.14 U67.20 U68.57 U69.8 U71.1 U71.2
PNET2: C190.1 C198.2 C202.2 C211.1 C255.1 C268.1 C269.1 C282.1 C287.1 C291.1 C337.2 C339.2 D46.2 DA1.1 DA1.2 DA2.1 DA2.2 Q25.3 R182.2 R187.1 R228.2 R279.2 R283.2 R285.1 R301.1 R302.1 R304.1 R378.1 R470.2 R473.2 U50.1 U50.4 U50.10 U50.13 U50.14 U53.1 U57.6 U73.8 U76.5 U80.20
PNET3: C246.1 D51.2 Q39.2 R363.2 R364.2 R365.2 R366.2 R369.2 R370.2 R372.2 R373.2 R374.2 U70.1 U70.28
PNET4: D36.3 D52.1 D53.1 J7.3 J7.4 J7.38 R569.1 R604.1
